# KiCad board Instruction_decoder.kicad_pcb (continued)
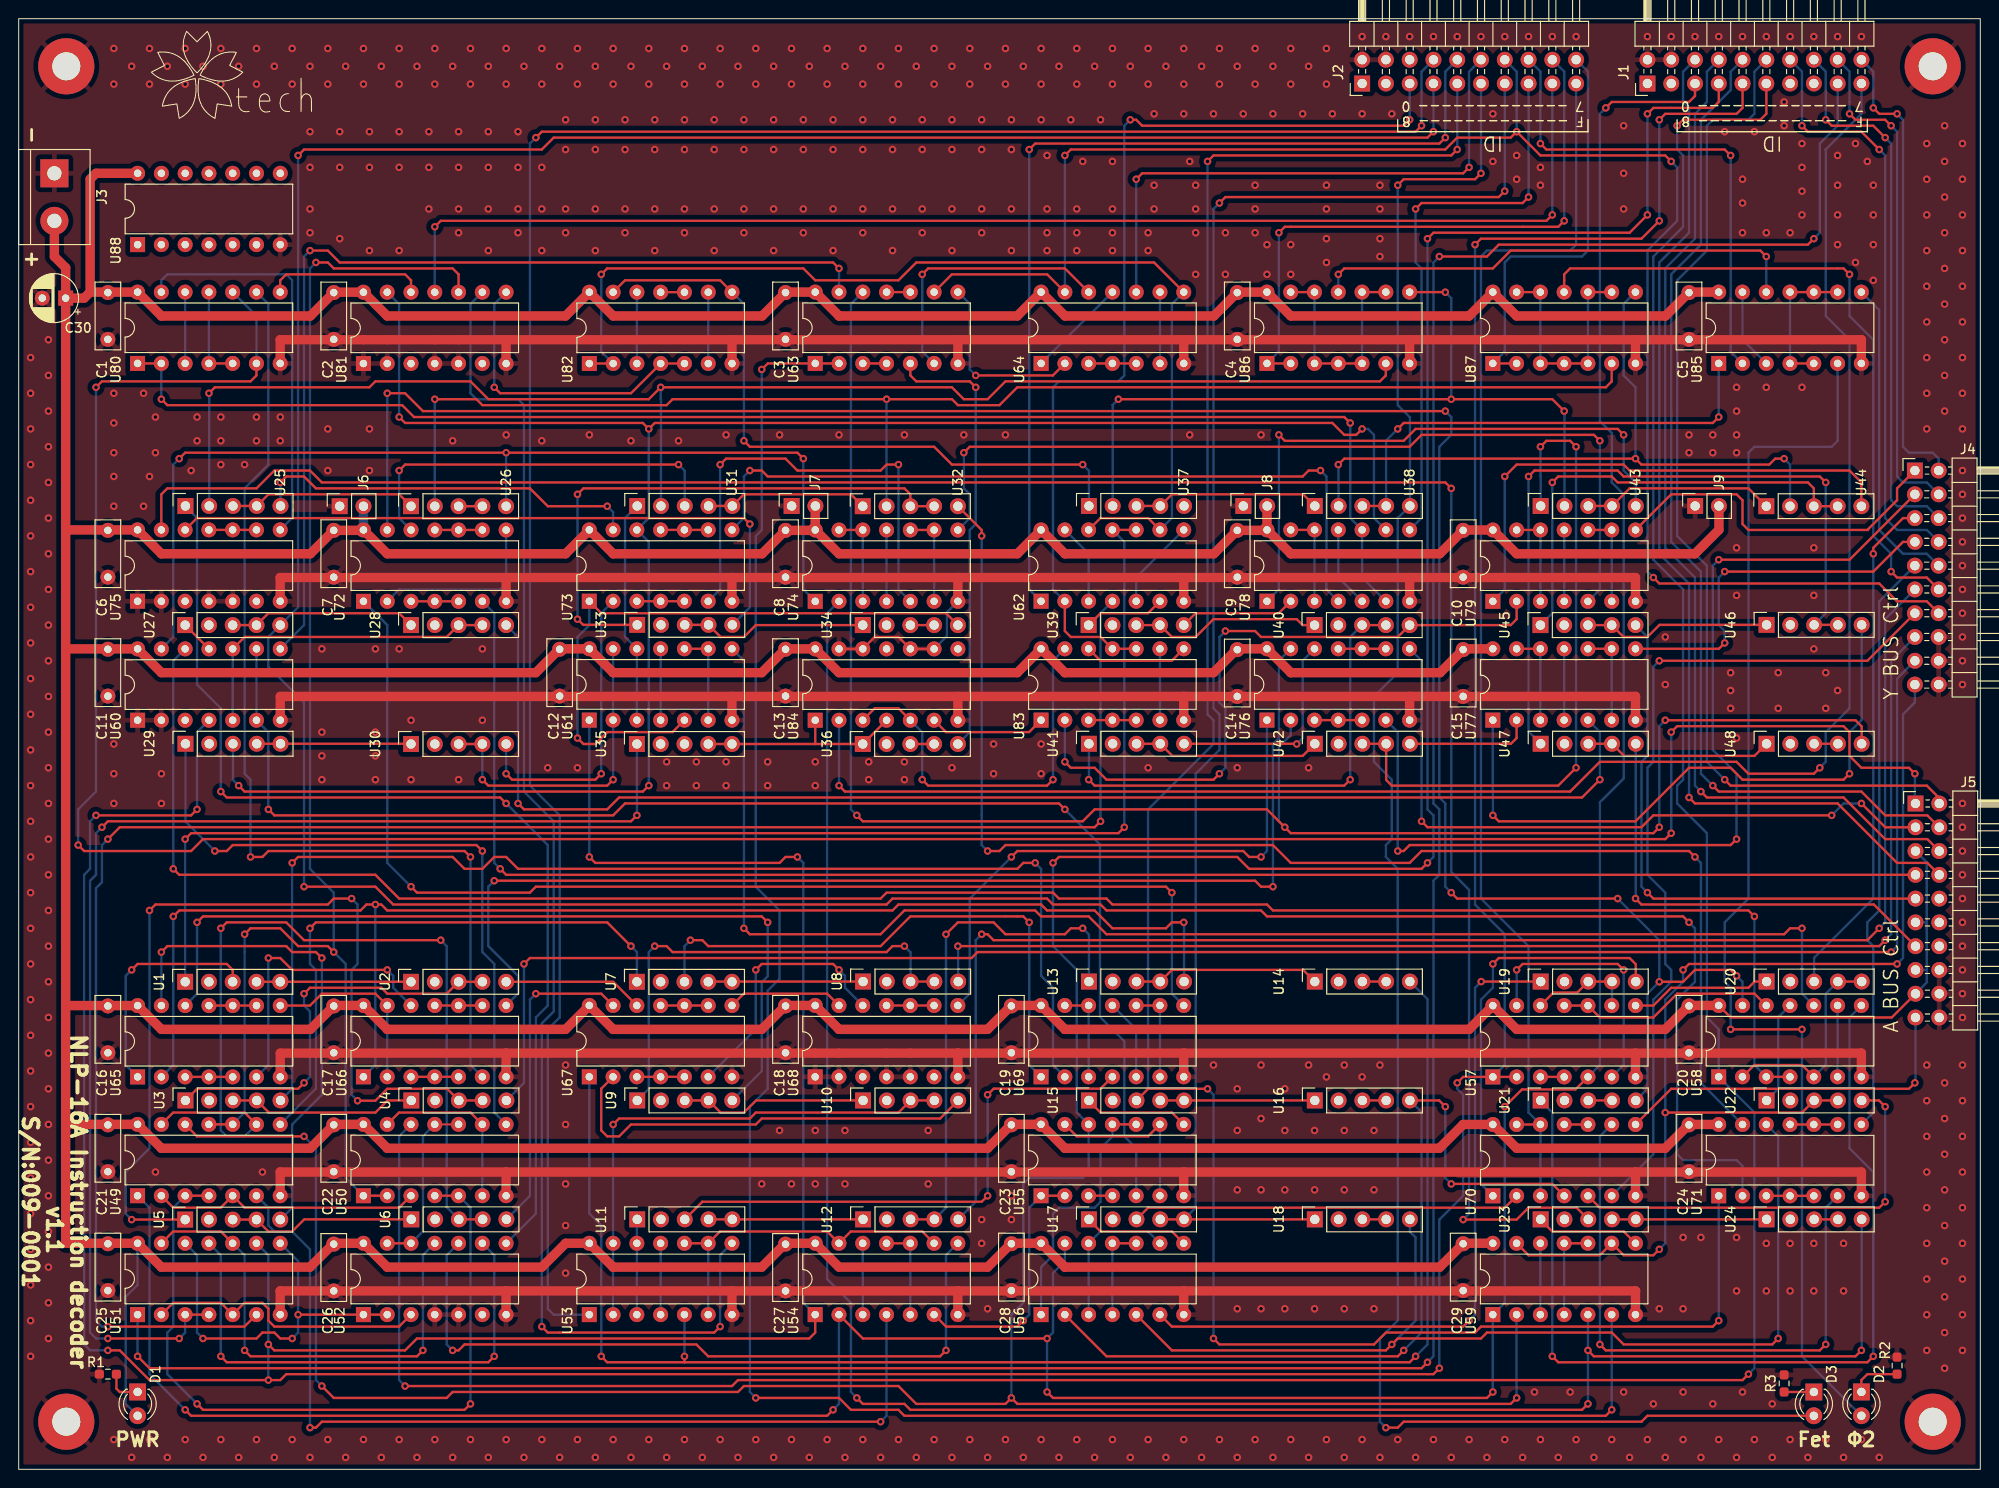
[diagram p0: board, top side]
## Routing (per net, layer and track width the routed paths; a pad name or vN(x,y) marks a point on that pad's centre or on a via; arc(x,y) is an arc through that point) (continued)
~{->IP_INC3}: length 164.3
  Top w0.25: v1(149.22,12.06) 148.59,11.43 71.12,11.43 ; 71.12,11.43 62.86,11.43 v1(62.23,12.06) ; 71.12,11.43 v1(71.12,12.06)
  Bottom w0.25: U67.1 60.95,27.31 62.23,26.03 v1(62.23,12.06) ; U53.5 71.11,12.07 v1(71.12,12.06) ; v1(149.22,12.06) 150.5,13.33 150.5,50.22 U14.5
~{->IP_SAVE}: length 13.6
  Top w0.25: U42.5 159.41,77.49 160.02,78.1 160.01,78.11 U77.2
~{->IP_SET}: length 15
  Top w0.25: U67.12 63.5,52.07 U2.5
~{->IV_JMP/END_INT}: length 191.5
  Top w0.25: v1(175.9,80.01) 196.22,80.01 196.88,79.34 U48.5 ; v1(175.26,68.58) 174.62,67.94 135.89,67.94 v1(135.25,68.58) 133.35,70.48 114.94,70.48 113.66,69.21 90.17,69.21 v1(89.53,69.85)
  Bottom w0.25: v1(175.9,80.01) 175.26,79.38 v1(175.26,68.58) ; v1(135.25,68.58) 134.62,69.21 134.62,77.16 135.88,78.42 U76.2 ; U63.12 88.9,124.47 88.9,70.48 v1(89.53,69.85)
~{->RAM_STORE}: length 143.6
  Top w0.25: v1(168.91,73.66) 167,71.75 64.13,71.75 62.86,70.48 53.97,70.48 v1(53.34,71.12)
  Bottom w0.25: U28.5 53.34,88.9 v1(53.34,71.12) ; U77.5 168.91,78.74 v1(168.91,73.66)
~{->SP_DEC_INT1}: length 72.1
  Top w0.25: v1(128.91,89.53) 132.08,89.53 132.72,88.9 147.32,88.9 U40.5 159.38,90.17 160.02,90.8 U79.2 ; v1(111.76,75.56) 112.4,74.93 114.94,74.93 116.2,73.66 127.63,73.66 v1(128.27,74.29)
  Bottom w0.25: v1(128.27,74.29) 128.91,74.93 128.91,81.28 128.27,81.91 128.27,88.9 v1(128.91,89.53) ; U83.2 111.75,75.57 v1(111.76,75.56)
~{->SP_DEC_INT2}: length 55.8
  Top w0.25: v1(158.75,106.04) 160.02,107.31 171.45,107.31 172.09,106.68 195.58,106.68 196.85,105.41 U44.5
  Bottom w0.25: v1(158.75,106.04) 158.75,93.98 U79.1
~{->SP_DEC_PUSH}: length 109.8
  Top w0.25: v1(17.14,107.95) 17.78,108.58 v1(52.07,108.58) 83.19,108.58 v1(83.82,107.95)
  Bottom w0.25: v1(83.82,107.95) 83.82,93.98 U74.1 ; U60.13 16.51,88.9 16.51,107.31 v1(17.14,107.95) ; U26.5 v1(52.07,108.58)
~{->SP_INC_POP}: length 219.1
  Top w0.25: v1(196.85,12.7) 196.22,12.06 168.27,12.06 v1(167.63,12.7) ; v1(89.53,7.62) 90.17,6.98 94.62,6.98 95.25,6.35 167,6.35 v1(167.64,6.98)
  Bottom w0.25: U59.5 v1(167.63,12.7) 167.64,12.69 v1(167.64,6.98) ; v1(196.85,12.7) 196.88,12.73 U24.5 ; v1(89.53,7.62) 88.9,8.25 88.9,17.78 86.36,20.32 86.36,91.44 U74.2
~{->SP_INC_RET}: length 68.3
  Top w0.25: U73.1 60.95,92.71 62.23,91.44 99.06,91.44 U34.5 ; v1(59.69,78.1) 60.33,77.47 61.59,77.47 62.86,78.74 69.83,78.74 U61.5
  Bottom w0.25: U73.1 60.95,90.16 59.69,88.9 v1(59.69,78.1)
~{->SP_SET}: length 32.8
  Top w0.25: v1(52.07,74.29) 52.7,73.66 61.59,73.66 v1(62.23,74.29)
  Bottom w0.25: U73.2 62.23,91.45 v1(62.23,74.29) ; U30.5 v1(52.07,74.29)
~{AccWR}: length 91.5
  Top w0.25: v1(147.95,12.7) 147.32,12.06 116.2,12.06 111.75,16.51 U56.2 ; v1(153.03,30.48) 163.83,30.48 U70.4 ; v1(152.4,38.73) 151.74,39.39 U16.5
  Bottom w0.25: v1(153.03,30.48) 152.4,31.11 v1(152.4,38.73) ; U16.5 149.86,38.16 149.86,14.6 v1(147.95,12.7)
~{Address_Y}: length 54.7
  Top w0.25: v1(198.12,97.79) 198.12,98.42 201.29,101.6 J4.5
  Bottom w0.25: v1(198.12,97.79) 198.12,60.96 191.8,54.64 U20.3
~{DEC_ALU}: length 59.8
  Top w0.25: v1(149.22,134.62) 149.86,135.25 160.66,135.25 v1(161.29,135.89)
  Bottom w0.25: v1(161.29,135.89) 161.29,135.89 J2.15 ; U78.8 149.85,101.6 149.86,101.6 149.86,128.27 149.22,128.91 v1(149.22,134.62)
~{EI/DI_FETCH}: length 134.9
  Top w0.25: v1(66.04,69.85) 65.41,69.21 9.52,69.21 v1(8.89,68.58) ; v1(17.14,13.97) v1(9.52,13.97) ; U51.3 U51.4
  Bottom w0.25: v1(8.89,68.58) 8.25,67.94 8.25,63.5 7.62,62.86 7.62,14.6 8.25,13.97 v1(9.52,13.97) ; U51.3 17.77,14.6 v1(17.14,13.97) ; U35.1 v1(66.04,69.85)
~{END_PUSH}: length 103.7
  Top w0.25: v1(87.63,128.27) 87,128.91 34.29,128.91 33.02,130.17 v1(31.11,130.17)
  Bottom w0.25: v1(31.11,130.17) 30.48,129.54 30.48,90.17 U60.8 ; v1(87.63,128.27) U63.13
~{EXE_POP}: length 154.8
  Top w0.25: v1(77.47,57.78) 78.11,57.15 92.08,57.15 94.62,59.69 108.59,59.69 109.22,59.05 114.3,59.05 116.2,57.15 188.59,57.15 189.23,57.78 v1(190.5,57.78)
  Bottom w0.25: v1(77.47,57.78) 77.47,86.36 U61.8 ; U58.10 190.5,50.81 v1(190.5,57.78)
~{EXE_PUSH}: length 148.2
  Top w0.25: v1(111.76,70.48) 111.12,71.12 64.77,71.12 63.5,69.85 27.3,69.85 v1(26.67,70.48)
  Bottom w0.25: v1(111.76,70.48) 115.5,66.74 115.5,48.32 118.11,45.72 118.11,35.56 119.38,34.29 119.38,29.22 U55.5 ; U60.9 U60.6 26.67,78.74 v1(26.67,70.48)
~{Fetch_END1}: length 156.8
  Top w0.25: U49.10 U49.11 ; v1(24.13,57.15) 24.77,57.78 27.94,57.78 29.84,55.88 33.02,55.88 v1(33.66,55.24) ; v1(31.75,128.91) 33.02,128.91 33.66,128.27 46.36,128.27 46.99,127.63 46.98,127.63 U81.10 ; 39.36,29.22 U50.1
  Bottom w0.25: v1(31.75,128.91) 31.11,128.27 31.11,64.13 33.66,61.59 v1(33.66,55.24) 34.92,53.97 34.92,31.11 36.82,29.22 U50.1 ; U49.10 24.11,38.1 24.13,38.1 v1(24.13,57.15)
~{Fetch_END2}: length 146.8
  Top w0.25: v1(74.93,15.24) 74.3,14.6 56.52,14.6 v1(55.88,15.24)
  Bottom w0.25: v1(55.88,15.24) 55.88,47.62 57.15,48.89 57.15,69.21 57.15,69.21 53.97,72.39 53.97,113.66 53.34,114.3 48.89,114.3 48.26,114.93 48.26,124.47 49.52,125.73 ; U53.8 74.93,22.88 v1(74.93,15.24)
~{FETCH_INT}: length 150.9
  Top w0.25: v1(118.11,68.58) 117.47,67.94 18.41,67.94 v1(17.78,67.31) ; U62.10 U62.11
  Bottom w0.25: U62.11 118.11,99.06 v1(118.11,68.58) ; v1(17.78,67.31) U1.1
~{Fetch_Status}: length 51.8
  Top w0.25: v1(147.32,111.12) 147.95,111.76 180.97,111.76 v1(181.61,112.39) ; U38.4 U38.3
  Bottom w0.25: v1(181.61,112.39) 181.6,112.4 U85.1 ; U38.4 146.08,109.88 v1(147.32,111.12)
~{Flag_Return->}: length 41.7
  Top w0.25: v1(40.64,106.68) 41.27,107.31 v1(70.48,107.31)
  Bottom w0.25: U31.3 71.15,106.65 v1(70.48,107.31) ; v1(40.64,106.68) 40.64,101.6 U72.12
~{Flag_SAVE->}: length 58.5
  Top w0.25: v1(173.99,61.59) 174.63,60.95 J5.9
  Bottom w0.25: v1(173.99,61.59) 173.35,62.23 173.35,75.56 173.99,76.2 173.99,88.9 U45.5
~{Flag_SET->}: length 41.7
  Top w0.25: U17.3 120.65,27.94 120.65,27.94 158.75,27.94 U70.2
~{Flag_Y}: length 62.6
  Bottom w0.25: J4.9 198.75,92.71 198.75,59.69 197.48,58.42 197.48,56.51 198.12,55.88 198.12,38.1 U71.8
~{INC_ALU}: length 140.9
  Top w0.25: v1(44.45,132.72) 45.08,133.35 163.19,133.35 v1(163.83,133.98)
  Bottom w0.25: 163.84,148.02 163.84,133.99 v1(163.83,133.98) ; 44.44,125.73 44.44,132.71 v1(44.45,132.72)
~{INT_FETCH}: length 200.8
  Top w0.25: v1(115.57,69.21) 114.94,68.58 10.79,68.58 v1(9.52,67.31) ; U51.6 24.11,15.24 v1(9.52,15.24)
  Bottom w0.25: v1(9.52,15.24) 8.89,15.24 8.25,15.88 8.25,62.07 8.89,62.71 8.89,66.67 v1(9.52,67.31) ; v1(115.57,69.21) 115.57,91.45 U62.4
~{INTERNAL_ALU}: length 133.4
  Top w0.25: U70.13 U70.12
  Bottom w0.25: U70.3 U70.12 161.29,38.1 161.29,55.88 156.21,60.96 156.21,129.54 156.84,130.17 165.73,130.17 166.38,130.81 J2.19
~{INTERNAL_A}: length 38.7
  Top w0.25: U70.8 176.53,40.64 201.93,40.64 v1(202.56,41.28)
  Bottom w0.25: v1(202.56,41.28) 202.63,41.34 J5.19
~{INTERNAL_Y}: length 120.7
  Top w0.25: v1(175.9,38.1) 190.5,38.1 U22.3 U22.4 ; U59.13 161.29,22.86 161.29,22.86 168.9,22.86 170.18,24.14 171.45,22.86 174.62,22.86 v1(175.26,23.5) ; v1(200.66,53.97) 178.44,53.97 v1(177.8,53.34)
  Bottom w0.25: J4.19 202.56,81.91 201.29,80.64 201.29,54.61 v1(200.66,53.97) ; v1(175.26,23.5) 175.9,24.13 v1(175.9,38.1) 175.9,50.16 177.8,52.07 v1(177.8,53.34)
~{IP_A}: length 74.1
  Top w0.25: v1(196.85,71.12) 199.4,68.57 J5.3 ; v1(193.68,69.85) 174.62,69.85 173.35,68.58 150.5,68.58 v1(149.86,69.21)
  Bottom w0.25: U76.8 149.86,86.36 v1(149.86,69.21) ; v1(196.85,71.12) 194.94,71.12 v1(193.68,69.85)
~{IP_INC1->}: length 53.4
  Top w0.25: v1(32.38,54.61) 31.75,55.24 29.21,55.24 28.58,55.88 15.88,55.88 v1(15.24,55.24)
  Bottom w0.25: v1(32.38,54.61) 32.38,40 29.21,36.83 29.21,27.94 U5.5 ; U65.13 v1(15.24,55.24)
~{IP_INC2->}: length 91.5
  Top w0.25: v1(80.01,58.42) 79.38,59.05 19.68,59.05 v1(19.05,58.42)
  Bottom w0.25: v1(80.01,58.42) 80.01,52.66 79.38,52.02 79.38,42.54 U9.5 ; U65.12 19.05,50.8 v1(19.05,58.42)
~{IP_INC3->}: length 153.3
  Top w0.25: v1(124.46,58.42) 123.19,58.42 122.56,57.78 116.84,57.78 114.94,59.69 109.85,59.69 109.22,60.32 93.98,60.32 93.34,59.69 39.37,59.69 38.73,60.32 v1(38.1,60.32) 37.15,60.32 36.51,59.69 17.14,59.69 v1(16.51,59.05)
  Bottom w0.25: v1(16.51,59.05) 16.51,43.18 U65.2 ; U66.1 36.84,41.92 38.1,43.18 v1(38.1,60.32) ; v1(124.46,58.42) 124.49,58.39 U13.5
~{IP_SAVE->}: length 23
  Top w0.25: v1(136.53,77.47) 136.5,77.49 U41.5
  Bottom w0.25: U76.12 137.16,86.38 137.16,78.1 v1(136.53,77.47)
~{IP_SET->}: length 24.8
  Top w0.25: v1(12.06,53.34) 12.7,53.97 22.22,53.97 22.86,53.34 U1.3
  Bottom w0.25: v1(12.06,53.34) 11.43,52.7 11.43,43.18 U65.1
~{IP_Y}: length 106.2
  Top w0.25: v1(183.51,67.31) 182.88,66.67 148.59,66.67 147.95,66.04 v1(147.32,66.04) ; J4.3 195.58,97.15 v1(181.61,97.15)
  Bottom w0.25: v1(183.51,67.31) 183.51,74.29 180.97,76.83 180.97,96.52 v1(181.61,97.15) ; U76.6 147.32,78.74 v1(147.32,66.04)
~{IR1_Y}: length 194.1
  Top w0.25: v1(53.97,53.97) 54.61,54.61 101.8,54.61 102.43,55.24 v1(200.03,55.24)
  Bottom w0.25: v1(200.03,55.24) 200.66,55.88 200.66,84.45 J4.17 ; U4.5 53.97,41.27 v1(53.97,53.97)
~{IR2_Y}: length 136.8
  Top w0.25: v1(100.33,55.88) 198.75,55.88 v1(199.39,56.51)
  Bottom w0.25: v1(199.39,56.51) 200.03,57.15 200.03,86.36 J4.15 ; v1(100.33,55.88) 100.36,55.85 U8.5
~{IR3_Y}: length 165.9
  Top w0.25: v1(102.87,57.15) 103.5,57.15 104.14,56.51 197.48,56.51 v1(198.75,57.78)
  Bottom w0.25: U12.5 102.23,28.57 102.23,56.51 v1(102.87,57.15) ; v1(198.75,57.78) 199.39,58.42 199.39,90.8 J4.11
~{IV_JMP->}: length 48.6
  Top w0.25: J5.13 198.18,60.32 173.35,60.32 v1(172.72,60.96)
  Bottom w0.25: v1(172.72,60.96) 172.75,60.99 U47.5
~{MEM_A}: length 180.8
  Top w0.25: v1(51.44,64.13) 52.08,63.49 J5.7
  Bottom w0.25: U72.6 50.8,91.44 50.8,64.77 v1(51.44,64.13)
~{MEM_Y}: length 39.6
  Top w0.25: J4.7 201.29,99.06 198.12,95.88 v1(182.25,95.88) ; v1(182.25,88.26) 181.61,87.63 181.6,87.64 U77.8
  Bottom w0.25: v1(182.25,95.88) 181.61,95.25 181.61,90.17 182.25,89.53 v1(182.25,88.26)
~{OP->}: length 43.5
  Top w0.25: U19.5 172.75,53.94 172.09,54.61 158.12,54.61 v1(157.48,53.97)
  Bottom w0.25: U70.1 156.21,30.48 156.21,50.16 157.48,51.43 v1(157.48,53.97)
~{POP_FETCH}: length 72.1
  Top w0.25: v1(20.95,66.04) 22.22,66.04 22.86,66.67 48.89,66.67 v1(49.53,66.04)
  Bottom w0.25: v1(49.53,66.04) 49.53,55.24 50.8,53.97 50.8,38.1 U50.8 ; v1(20.95,66.04) 17.81,69.18 U29.1
~{PUSH_EXE}: length 215.8
  Top w0.25: v1(16.51,64.13) 17.14,63.5 38.1,63.5 40.64,60.96 92.08,60.96 92.71,61.59 110.49,61.59 111.12,60.96 116.2,60.96 116.84,60.32 133.35,60.32 133.98,59.69 184.78,59.69 v1(185.42,59.05) ; U58.3 U58.4
  Bottom w0.25: v1(16.51,64.13) 16.51,86.36 U60.12 ; v1(185.42,59.05) 185.42,43.18 185.43,43.18 U58.3
~{RA3}: length 241.9
  Top w0.25: v1(127.63,13.97) 128.27,13.33 144.78,13.33 146.05,14.6 155.57,14.6 156.21,15.24 180.97,15.24 v1(181.61,15.88) ; v1(127,139.7) 127.63,140.33 153.03,140.33 v1(153.67,140.97) ; U15.3 120.65,40.63 120.65,40.64 v1(127,40.64)
  Bottom w0.25: U15.3 120.65,40.63 120.65,70.48 127.63,77.47 127.63,80.01 127,80.64 v1(127,139.7) ; v1(127,40.64) 127.63,40 v1(127.63,13.97) ; 153.68,148.02 153.68,140.97 v1(153.67,140.97) ; U71.1 v1(181.61,15.88)
~{RAM_LOAD->}: length 236.1
  Top w0.25: v1(39.37,114.93) 41.27,114.93 43.18,113.03 v1(152.4,113.03) ; v1(153.03,61.59) 153.67,60.96 v1(170.81,60.96) ; v1(183.51,52.7) 182.88,53.34 179.07,53.34 177.8,52.07 v1(175.26,52.07)
  Bottom w0.25: v1(153.03,61.59) 152.4,62.23 152.4,71.12 151.76,71.75 151.76,109.22 153.03,110.49 153.03,112.39 v1(152.4,113.03) ; v1(170.81,60.96) 175.26,56.51 v1(175.26,52.07) 173.99,50.8 173.99,40.63 U21.5 ; v1(39.37,114.93) U72.13 ; v1(183.51,52.7) 184.15,52.07 U58.13
~{RAM_STORE->}: length 395
  Top w0.25: v1(29.84,140.33) 30.48,140.97 55.88,140.97 57.15,142.24 150.5,142.24 v1(151.13,142.88) ; v1(30.48,62.23) 38.1,62.23 40,60.32 92.71,60.32 93.34,60.96 109.85,60.96 110.49,60.32 115.57,60.32 116.2,59.69 132.72,59.69 133.35,59.05 177.8,59.05 v1(178.44,58.42)
  Bottom w0.25: U71.2 184.15,32.38 183.51,33.02 177.8,33.02 177.16,33.66 177.16,50.16 179.07,52.07 179.07,57.78 v1(178.44,58.42) ; v1(151.13,142.88) 151.13,142.88 J2.7 ; v1(30.48,62.23) 30.48,81.91 26.67,85.72 26.67,88.9 U27.5 29.84,92.07 v1(29.84,140.33)
~{RS}: length 183.8
  Top w0.25: v1(111.76,140.33) 112.4,140.97 152.4,140.97 153.67,142.24 159.38,142.24 v1(160.02,142.88) 162.56,140.33 175.9,140.33 v1(176.53,139.7) ; U64.13 109.87,127.63 99.69,127.63 U63.9 ; J4.14 203.84,92.71 200.66,92.71 198.75,94.61 175.26,94.61 v1(174.62,95.25)
  Bottom w0.25: v1(111.76,140.33) U64.13 ; v1(174.62,95.25) 173.99,95.88 173.99,130.17 177.16,133.35 177.16,139.06 v1(176.53,139.7) ; v1(160.02,142.88) 160.02,149.29 J2.14
~{Seed_pluse}: length 60.2
  Top w0.25: v1(154.94,139.06) 154.31,138.43 120.01,138.43 v1(119.38,137.79)
  Bottom w0.25: v1(154.94,139.06) 154.94,149.28 156.22,150.56 ; v1(119.38,137.79) U64.10
~{SP_A}: length 292.4
  Top w0.25: U80.6 25.39,116.83 24.77,116.2 8.89,116.2 v1(8.25,115.57) ; v1(176.53,67.94) 175.9,67.31 19.68,67.31 18.41,66.04 6.98,66.04 v1(6.35,66.67) ; v1(202.56,74.29) 201.93,74.93 196.85,74.93 195.58,76.2 195.58,78.74 194.94,79.38 177.16,79.38 v1(176.53,78.74)
  Bottom w0.25: J5.1 202.56,71.18 v1(202.56,74.29) ; v1(8.25,115.57) 8.25,72.39 6.35,70.48 v1(6.35,66.67) ; v1(176.53,67.94) v1(176.53,78.74) ; U80.6 25.39,123.19 25.4,123.19 25.4,123.19 U80.10
~{SP_DEC_INT1->}: length 12.5
  Top w0.25: U78.2 134.61,91.44 125.73,91.44 U39.5
~{SP_DEC_INT2->}: length 64.3
  Top w0.25: v1(134.62,110.49) 135.25,109.85 147.95,109.85 149.22,111.12 170.81,111.12 v1(171.45,110.49)
  Bottom w0.25: U43.5 172.75,105.38 171.45,106.68 v1(171.45,110.49) ; U78.1 134.62,93.99 v1(134.62,110.49)
~{SP_DEC_PUSH->}: length 41.8
  Top w0.25: v1(62.86,102.87) 56.52,102.87 54.61,104.77 31.75,104.77 30.48,106.04 28.58,106.04 v1(27.94,105.41)
  Bottom w0.25: v1(62.86,102.87) 63.5,102.23 63.5,102.23 U73.13 ; v1(27.94,105.41) 27.97,105.38 U25.5
~{SP_INC_POP->}: length 237
  Top w0.25: U75.13 15.23,104.13 15.88,104.77 25.4,104.77 27.3,106.68 31.11,106.68 32.38,105.41 152.4,105.41 v1(153.03,104.77) ; U23.3 166.43,27.94 161.29,27.94 160.02,26.67 v1(154.31,26.67)
  Bottom w0.25: v1(154.31,26.67) 154.94,27.31 154.94,61.9 153.03,63.8 v1(153.03,104.77)
~{SP_INC_RET->}: length 72.7
  Top w0.25: v1(78.11,100.96) 77.47,101.6 19.03,101.6 U75.12
  Bottom w0.25: v1(78.11,100.96) 78.11,92.07 U33.5
~{SP_SET->}: length 218.8
  Top w0.25: v1(143.51,111.12) 142.88,110.49 141.6,110.49 140.34,111.76 67.94,111.76 v1(67.31,111.12) 66.67,111.76 41.27,111.76 v1(40.64,112.39) ; v1(67.31,73.02) 66.67,72.39 24.13,72.39 v1(23.49,73.02)
  Bottom w0.25: v1(143.51,111.12) 144.15,111.12 144.78,110.49 144.78,101.6 144.79,101.6 U78.9 ; 39.36,125.73 40.64,124.45 v1(40.64,112.39) ; v1(67.31,111.12) 67.31,101.6 67.3,101.6 U73.12 67.31,99.06 v1(67.31,73.02) ; U29.3 22.89,73.69 22.86,73.66 v1(23.49,73.02)
~{SP_Y}: length 37.9
  Top w0.25: U79.8 176.53,104.14 183.51,104.14 184.15,103.5 184.15,100.96 184.78,100.33 197.56,100.33 197.56,100.4 200.66,103.5 200.66,104.77 J4.1
~{WB}: length 45.5
  Top w0.25: v1(199.39,38.73) 198.73,39.39 U22.5 ; v1(199.39,28.57) 198.75,27.94 168.91,27.94 U70.5
  Bottom w0.25: v1(199.39,28.57) v1(199.39,38.73)
Net-(D1-Pad1): length 4
  Top w0.25: R1.1 10.44,8.61 10.79,8.25 10.8,8.26 D1.1
Net-(D2-Pad1): length 5.1
  Top w0.25: D2.1 196.85,9.53 197.48,10.16 200.38,10.16
Net-(D2-Pad2): length 132.8
  Top w0.25: v1(190.5,46.99) v1(182.88,46.99)
  Bottom w0.25: v1(182.88,46.99) 182.88,51.43 182.25,52.07 182.25,58.42 184.78,60.96 184.78,108.58 185.42,109.22 193.68,109.22 194.31,109.85 194.31,109.86 U85.6 ; D2.2 196.84,5.72 190.5,12.06 v1(190.5,46.99)
Net-(D3-Pad1): length 3.2
  Top w0.25: R3.1 D3.1
Net-(U1-Pad4): length 16.5
  Top w0.25: U2.1 U1.5 U1.4
Net-(U2-Pad3): length 43.6
  Top w0.25: v1(30.48,41.28) 29.84,40.64 19.05,40.64 17.81,39.4 U3.1 ; U2.4 U2.3 45.72,50.8 39.37,50.8 38.74,51.43 31.11,51.43 v1(30.48,50.8)
  Bottom w0.25: v1(30.48,50.8) 30.48,49.53 31.11,48.89 31.11,41.91 v1(30.48,41.28)
Net-(U3-Pad3): length 20.2
  Top w0.25: U4.1 39.39,39.39 38.1,38.1 26.67,38.1 26.67,38.16 U3.4 U3.3
Net-(U4-Pad3): length 99
  Top w0.25: U4.4 U4.3 45.77,40.64 39.37,40.64 38.1,39.37 v1(36.19,39.37) ; v1(13.97,59.69) 14.6,60.32 33.02,60.32 33.66,60.96 v1(35.56,60.96) ; U5.1 v1(12.06,26.67)
  Bottom w0.25: v1(13.97,59.69) 13.97,34.29 11.43,31.75 11.43,27.31 v1(12.06,26.67) ; v1(35.56,60.96) 36.19,60.32 36.19,53.97 35.56,53.34 35.56,40 v1(36.19,39.37)
Net-(U5-Pad3): length 20.1
  Top w0.25: U6.1 30.5,26.69 29.21,25.4 26.67,25.4 U5.4 U5.3
Net-(U7-Pad4): length 16.6
  Top w0.25: U7.4 73.69,52.09 U8.1
Net-(U8-Pad3): length 51.1
  Top w0.25: v1(94.62,55.88) 93.34,55.88 92.71,55.24 69.85,55.24 69.22,55.88 v1(67.94,55.88) ; U8.3 U8.4
  Bottom w0.25: v1(94.62,55.88) 95.28,55.21 U8.3 ; U9.1 66.07,39.4 67.31,40.64 67.31,55.24 v1(67.94,55.88)
Net-(U10-Pad1): length 20.1
  Top w0.25: U9.3 U9.4 74.98,38.1 77.47,38.1 78.77,39.39 U10.1
Net-(U10-Pad3): length 55.7
  Top w0.25: v1(63.5,36.83) 64.13,37.47 78.11,37.47 78.74,38.1 93.98,38.1 U10.3 U10.4
  Bottom w0.25: U53.2 U53.13 63.5,36.82 v1(63.5,36.83)
Net-(U11-Pad1): length 10.2
  Bottom w0.25: U53.3 U53.12 66.03,26.66 U11.1
Net-(U11-Pad4): length 16.5
  Top w0.25: U12.1 U11.4
Net-(U12-Pad3): length 55.4
  Top w0.25: v1(113.66,57.78) 112.4,57.78 111.76,57.15 105.41,57.15 104.14,58.42 100.33,58.42 v1(99.06,57.15) ; U12.3 U12.4
  Bottom w0.25: U12.4 99.06,27.94 v1(99.06,57.15) ; U13.1 114.33,57.12 v1(113.66,57.78)
Net-(U13-Pad3): length 20.1
  Top w0.25: U13.3 U13.4 123.19,53.34 137.22,53.34 U14.1
Net-(U14-Pad3): length 2.5
  Top w0.25: U14.3 U14.4
Net-(U15-Pad1): length 11.2
  Top w0.25: U55.8 123.19,38.1 115.57,38.1 114.33,39.34 U15.1
Net-(U15-Pad4): length 16.5
  Top w0.25: U16.1 U15.4
Net-(U16-Pad3): length 2.5
  Top w0.25: U16.3 U16.4
Net-(U17-Pad1): length 11.2
  Top w0.25: U56.8 123.19,25.4 115.57,25.4 114.33,26.64 U17.1
Net-(U18-Pad3): length 2.5
  Top w0.25: U18.3 U18.4
Net-(U19-Pad1): length 76.9
  Top w0.25: U56.6 121.91,16.51 123.19,15.24 154.31,15.24 v1(154.94,15.88) ; U19.1 v1(156.23,52.09)
  Bottom w0.25: v1(156.23,52.09) 155.57,51.43 155.57,16.51 v1(154.94,15.88)
Net-(U19-Pad3): length 11.3
  Top w0.25: U19.4 U19.3 166.5,50.92 163.95,50.92 U57.12
  Bottom w0.25: U57.9 170.21,49.56 U19.4
Net-(U20-Pad1): length 15.1
  Top w0.25: U57.8 174.62,49.53 176.53,51.43 184.78,51.43 185.44,52.09 U20.1
Net-(U20-Pad4): length 22.4
  Top w0.25: U58.2 185.41,43.18 190.5,43.18 U58.5 ; U20.4 U20.5
  Bottom w0.25: U58.5 193.04,43.19 193.04,50.8 193.04,50.8 U20.4
Net-(U21-Pad1): length 101.7
  Top w0.25: v1(163.83,12.06) 164.47,11.43 197.48,11.43 v1(198.12,12.06)
  Bottom w0.25: v1(163.83,12.06) 163.83,38.1 162.59,39.34 U21.1 ; v1(198.12,12.06) 198.12,31.75 195.58,34.29 195.58,48.28 U58.8
Net-(U21-Pad3): length 2.5
  Top w0.25: U21.3 U21.4
Net-(U22-Pad1): length 11.2
  Bottom w0.25: U22.1 187.96,40.63 187.96,48.28 U58.11
Net-(U23-Pad1): length 11.2
  Top w0.25: U59.8 171.45,25.4 163.83,25.4 162.59,26.64 U23.1
Net-(U23-Pad4): length 16.5
  Top w0.25: U23.4 U23.5 U24.1
Net-(U24-Pad3): length 2.5
  Top w0.25: U24.3 U24.4
Net-(U25-Pad3): length 20.1
  Top w0.25: U25.3 U25.4 26.67,104.13 26.67,104.14 40.64,104.14 U26.1
Net-(U26-Pad3): length 2.5
  Top w0.25: U26.4 U26.3
Net-(U27-Pad1): length 3.6
  Top w0.25: U27.1 U60.11
Net-(U27-Pad3): length 20.1
  Top w0.25: U27.3 U27.4 26.67,91.44 40.64,91.44 U28.1
Net-(U28-Pad3): length 35.3
  Top w0.25: U28.4 U28.3 45.72,88.9 24.13,88.9 U60.10
  Bottom w0.25: U60.10 U60.5
Net-(U29-Pad4): length 16.5
  Top w0.25: U29.4 U29.5 41.88,77.49 U30.1
Net-(U30-Pad3): length 34.8
  Top w0.25: v1(49.53,73.66) 50.16,73.02 62.86,73.02 v1(63.5,73.66) ; U30.3 U30.4
  Bottom w0.25: v1(63.5,73.66) 63.5,80.01 U61.2 U61.13 ; v1(49.53,73.66) U30.4
Net-(U31-Pad1): length 23.9
  Bottom w0.25: U61.3 U61.12 64.77,88.9 64.77,101.6 66.06,102.89 U31.1
Net-(U31-Pad4): length 17.5
  Top w0.25: U31.4 U31.5 77.47,104.14 88.9,104.14 U32.1
Net-(U32-Pad3): length 59.9
  Top w0.25: U32.4 U32.3 95.25,104.14 94.62,104.77 60.33,104.77 v1(59.69,104.14) ; v1(59.69,90.8) 60.3,90.19 U33.1
  Bottom w0.25: v1(59.69,104.14) v1(59.69,90.8)
Net-(U33-Pad3): length 20.1
  Top w0.25: U33.3 U33.4 74.93,88.95 74.93,88.9 77.47,88.9 78.74,90.17 U34.1
Net-(U34-Pad3): length 2.5
  Top w0.25: U34.3 U34.4
Net-(U35-Pad4): length 22.6
  Top w0.25: U35.4 U35.5 85.09,77.47 ; 85.09,77.47 U84.1 ; 85.09,77.47 U36.1 U84.4
Net-(U36-Pad3): length 2.5
  Top w0.25: U36.3 U36.4
Net-(U36-Pad5): length 47.7
  Top w0.25: U63.5 95.25,116.84 95.88,116.2 101.6,116.2 v1(102.23,115.57)
  Bottom w0.25: v1(102.23,115.57) 102.23,100.96 101.6,100.33 101.6,78.74 U36.5
Net-(U37-Pad1): length 72.1
  Top w0.25: U82.13 64.77,127 74.93,127 U82.8 ; v1(77.47,109.85) 78.11,109.22 97.79,109.22 99.69,107.31 v1(113.66,107.31)
  Bottom w0.25: v1(113.66,107.31) 114.33,106.65 U37.1 ; U82.8 77.47,124.46 v1(77.47,109.85)
Net-(U37-Pad3): length 20.1
  Top w0.25: U37.3 U37.4 123.19,104.14 137.22,104.14 U38.1
Net-(U39-Pad1): length 8.7
  Top w0.25: U62.6 120.63,91.44 115.57,91.44 U39.1
Net-(U39-Pad3): length 20.6
  Top w0.25: U40.1 137.16,90.17 136.53,90.8 127.63,90.8 125.73,88.9 123.19,88.9 U39.4 U39.3
Net-(U40-Pad3): length 51.9
  Top w0.25: U40.3 U40.4 ; v1(114.3,73.66) 114.94,73.02 141.6,73.02 v1(142.24,73.66)
  Bottom w0.25: U41.1 114.33,73.69 v1(114.3,73.66) ; v1(142.24,73.66) 142.24,88.9 U40.3
Net-(U41-Pad3): length 20.1
  Top w0.25: U41.3 U41.4 123.25,76.2 137.16,76.2 U42.1
Net-(U42-Pad3): length 72.7
  Top w0.25: v1(166.37,74.93) 164.47,73.02 146.69,73.02 146.08,73.63 U42.4 U42.3 ; v1(162.56,109.22) 163.19,109.85 165.73,109.85 v1(166.37,109.22)
  Bottom w0.25: U43.1 162.59,106.07 162.56,106.1 v1(162.56,109.22) ; v1(166.37,109.22) v1(166.37,74.93)
Net-(U43-Pad3): length 20.6
  Top w0.25: U44.1 184.78,104.77 172.09,104.77 U43.4 U43.3
Net-(U44-Pad3): length 48.9
  Top w0.25: U44.4 U44.3 191.77,104.77 191.13,105.41 170.81,105.41 170.18,106.04 164.47,106.04 v1(163.83,105.41)
  Bottom w0.25: U45.1 163.83,91.44 v1(163.83,105.41)
Net-(U45-Pad3): length 20.1
  Top w0.25: U46.1 175.28,90.19 173.99,88.9 171.45,88.9 U45.4 U45.3
Net-(U46-Pad3): length 79.9
  Top w0.25: U46.3 U46.4 ; v1(193.04,105.41) 192.41,106.04 171.45,106.04 170.81,106.68 161.93,106.68 v1(161.29,106.04)
  Bottom w0.25: v1(193.04,105.41) 193.04,91.43 U46.3 ; U47.1 161.29,78.79 v1(161.29,106.04)
Net-(U47-Pad3): length 20.1
  Top w0.25: U48.1 185.43,76.2 171.5,76.2 U47.4 U47.3
Net-(U48-Pad3): length 2.5
  Top w0.25: U48.4 U48.3
Net-(U49-Pad2): length 28.8
  Top w0.25: U49.2 16.52,27.94 21.57,27.94 U49.5 24.13,27.94 40.64,27.94 40.64,27.95 U50.3
Net-(U49-Pad3): length 81.9
  Top w0.25: v1(19.05,6.98) 19.68,6.35 47.62,6.35 v1(48.26,6.98) ; 44.44,29.22 U50.5 ; U49.3 U49.4
  Bottom w0.25: v1(19.05,6.98) 15.88,10.16 15.88,14.6 16.51,15.24 16.51,27.95 U49.3 ; v1(48.26,6.98) 48.26,27.94 U50.5
Net-(U49-Pad6): length 101.2
  Top w0.25: v1(31.11,4.44) 31.75,4.44 32.38,5.08 v1(92.08,5.08)
  Bottom w0.25: U54.4 92.7,5.71 v1(92.08,5.08) ; U49.6 26.67,27.94 26.67,26.03 27.3,25.4 29.21,25.4 31.11,23.5 v1(31.11,4.44)
Net-(U49-Pad8): length 62.5
  Top w0.25: v1(31.11,57.78) 31.75,58.42 62.86,58.42 v1(65.41,55.88)
  Bottom w0.25: U49.8 31.75,40.66 31.75,53.34 31.11,53.97 v1(31.11,57.78) ; v1(65.41,55.88) 66.04,55.24 U7.1
Net-(U49-Pad13): length 95.1
  Top w0.25: U49.13 16.49,38.1 24.13,38.1 U49.9 ; U6.4 U6.3 ; v1(45.08,56.51) 30.48,56.51 28.58,58.42 22.22,58.42 v1(21.59,57.78)
  Bottom w0.25: v1(45.08,56.51) 45.72,55.88 45.72,28 U6.3 ; U49.9 24.11,35.56 22.22,35.56 21.59,36.19 v1(21.59,57.78)
Net-(U50-Pad10): length 18.8
  Top w0.2: 44.44,36.84 U50.10
  Top w0.25: U52.12 39.36,24.14
  Bottom w0.25: 44.44,36.84 43.18,35.57 43.18,25.41 U52.12
Net-(U50-Pad13): length 18.8
  Top w0.25: 49.52,36.84 48.27,38.1 40.62,38.1 39.36,36.84
  Bottom w0.25: 49.52,36.84 49.52,29.22
Net-(U51-Pad2): length 30.6
  Top w0.25: U52.3 40.62,15.24 27.3,15.24 26.67,15.88 26.67,17.14 26.03,17.78 24.11,17.78 U51.5 21.59,17.78 16.49,17.78 U51.2
Net-(U51-Pad10): length 52.2
  Top w0.25: U51.10 21.59,25.4 16.49,25.4 U51.13 ; v1(24.13,12.7) 24.77,12.06 42.55,12.06 v1(43.18,12.7)
  Bottom w0.25: v1(43.18,12.7) 43.18,22.88 44.44,24.14 ; v1(24.13,12.7) 24.13,22.86 U51.10
Net-(U51-Pad11): length 54.9
  Top w0.25: v1(21.59,12.06) 22.22,11.43 50.16,11.43 v1(50.8,12.06)
  Bottom w0.25: 49.52,24.14 50.8,22.86 v1(50.8,12.06) ; v1(21.59,12.06) 21.59,22.86 U51.11
Net-(U51-Pad12): length 41.8
  Top w0.25: v1(29.21,13.97) 27.94,13.97 27.3,14.6 26.03,14.6 25.4,13.97 v1(19.68,13.97) ; 39.36,16.52 29.86,16.52 v1(29.84,16.51)
  Bottom w0.25: U51.12 19.05,22.86 19.05,14.6 v1(19.68,13.97) ; v1(29.21,13.97) 29.84,14.6 v1(29.84,16.51) 29.84,22.23 U51.8
Net-(U52-Pad10): length 77.9
  Top w0.25: v1(99.06,12.7) 98.43,12.06 73.66,12.06 72.39,13.33 47.62,13.33 46.99,12.7 v1(46.36,12.7)
  Bottom w0.25: v1(99.06,12.7) 99.06,22.88 U54.8 ; U52.10 45.72,22.88 45.72,13.33 v1(46.36,12.7)
Net-(U53-Pad10): length 36.4
  Top w0.25: U53.10 U53.9 74.91,25.4 86.36,25.4 U54.13 88.88,25.4 96.53,25.4 U54.9
  Bottom w0.25: U53.9 U53.6
Net-(U53-Pad11): length 7.6
  Bottom w0.25: U53.11 U53.4
Net-(U54-Pad10): length 10.2
  Top w0.25: U54.11 U54.10
  Bottom w0.25: U54.10 U54.5
Net-(U54-Pad12): length 7.6
  Bottom w0.25: U54.12 U54.3
Net-(U55-Pad3): length 2.5
  Top w0.25: U55.3 U55.4
Net-(U55-Pad10): length 28.3
  Top w0.25: U55.11 U55.10
  Bottom w0.25: U55.11 116.84,35.56 116.84,35.56 115.57,34.29 115.57,28.57 114.94,27.94 111.12,27.94 110.49,27.31 110.49,22.86 109.22,21.58 U56.1
Net-(U55-Pad13): length 18.9
  Top w0.25: U55.9 120.65,35.57 120.65,35.56 113.03,35.56 113.03,35.56 U55.13
  Bottom w0.25: U55.9 U55.6
Net-(U56-Pad10): length 10.2
  Top w0.25: U56.10 U56.11
  Bottom w0.25: U56.11 U56.4
Net-(U56-Pad12): length 16.3
  Bottom w0.25: U56.9 120.66,25.4 115.56,25.4 U56.12 U56.3
Net-(U57-Pad3): length 2.5
  Top w0.25: U57.4 U57.3
Net-(U57-Pad10): length 23.7
  Top w0.25: U57.11 U57.10 168.91,48.26 174.62,48.26 177.16,50.8 185.43,50.8 U58.12
Net-(U57-Pad13): length 27.7
  Top w0.25: v1(160.02,53.34) 160.66,53.97 170.81,53.97 v1(171.45,53.34)
  Bottom w0.25: v1(171.45,53.34) 171.45,43.18 U57.6 ; U57.13 v1(160.02,53.34)
Net-(U58-Pad6): length 7.6
  Bottom w0.25: U58.9 U58.6
Net-(U59-Pad10): length 10.2
  Top w0.25: U59.11 U59.10
  Bottom w0.25: U59.11 U59.4
Net-(U59-Pad12): length 7.6
  Bottom w0.25: U59.12 U59.3
Net-(U61-Pad10): length 10.2
  Top w0.25: U61.9 U61.10
  Bottom w0.25: U61.9 U61.6
Net-(U61-Pad11): length 7.6
  Bottom w0.25: U61.11 U61.4
Net-(U62-Pad5): length 9.7
  Bottom w0.25: U62.8 119.38,95.26 U62.5
Net-(U62-Pad13): length 8.7
  Bottom w0.25: U62.13 114.3,97.79 114.3,97.79 114.29,97.78 U62.3
Net-(U63-Pad3): length 2.5
  Top w0.25: U63.4 U63.3
Net-(U63-Pad6): length 29.1
  Top w0.25: U64.12 114.29,125.74 111.76,128.27 97.16,128.27 v1(96.52,127.63)
  Bottom w0.25: U63.6 96.53,119.38 96.52,119.38 v1(96.52,127.63)
Net-(U63-Pad8): length 19.7
  Top w0.25: v1(102.23,116.84) 110.48,116.84 U64.2
  Bottom w0.25: U63.8 101.6,124.47 101.6,117.47 v1(102.23,116.84)
Net-(U63-Pad10): length 2.5
  Top w0.25: U63.11 U63.10
Net-(U64-Pad1): length 10.8
  Bottom w0.25: U64.1 U64.11
Net-(U64-Pad3): length 5.1
  Top w0.25: U64.3 U64.5
Net-(U64-Pad6): length 7.6
  Bottom w0.25: U64.9 U64.6
Net-(U65-Pad3): length 5.1
  Top w0.25: U65.3 U65.4 U65.5
Net-(U65-Pad6): length 31.3
  Top w0.25: v1(26.67,54.61) 27.94,54.61 29.21,53.34 v1(39.37,53.34)
  Bottom w0.25: v1(26.67,54.61) 26.67,43.18 U65.6 ; U66.12 40,51.44 40,52.7 v1(39.37,53.34)
Net-(U65-Pad8): length 20.1
  Top w0.25: U65.8 31.11,49.53 32.38,50.8 38.11,50.8 39.36,49.54
  Bottom w0.25: 39.36,49.54 39.36,41.92
Net-(U65-Pad10): length 5.1
  Top w0.25: U65.9 U65.11
Net-(U66-Pad3): length 5.1
  Top w0.25: U66.3 U66.5
Net-(U66-Pad6): length 110.2
  Top w0.25: v1(48.26,65.4) 47.62,66.04 26.67,66.04 26.03,65.4 v1(24.77,65.4)
  Bottom w0.25: v1(48.26,65.4) 48.26,43.18 48.27,43.18 49.52,41.92 ; U80.9 26.67,124.47 26.67,107.31 24.13,104.77 24.13,74.29 24.77,73.66 v1(24.77,65.4)
Net-(U66-Pad8): length 125.1
  Top w0.25: v1(50.8,62.86) 132.08,62.86 132.72,62.23 v1(133.98,62.23)
  Bottom w0.25: v1(50.8,62.86) 50.16,62.23 50.16,55.88 53.34,52.7 53.34,50.8 53.33,50.8 U66.8 ; U76.13 134.62,86.38 134.62,78.1 133.98,77.47 v1(133.98,62.23)
Net-(U66-Pad10): length 5.1
  Top w0.25: 44.44,49.54 49.52,49.54
Net-(U67-Pad3): length 5.1
  Top w0.25: U67.3 U67.5
Net-(U67-Pad6): length 27.8
  Top w0.25: v1(87.63,53.34) 87,53.97 79.38,53.97 v1(78.74,53.34)
  Bottom w0.25: U68.12 88.27,51.44 88.27,52.7 v1(87.63,53.34) ; U67.6 78.74,47 v1(78.74,53.34)
Net-(U67-Pad8): length 12.5
  Top w0.25: U68.13 86.36,50.8 77.45,50.8 U67.8
Net-(U67-Pad10): length 5.1
  Top w0.25: U67.11 U67.9
Net-(U68-Pad8): length 60.9
  Top w0.25: v1(132.72,65.4) 131.44,65.4 130.81,66.04 106.68,66.04 v1(106.04,65.4)
  Bottom w0.25: 101.6,51.43 101.6,60.96 v1(106.04,65.4) ; 101.6,51.43 101.6,50.81 U68.8 ; 101.6,51.43 101.6,50.8 ; 133.34,66.67 133.35,66.66 133.35,66.04 v1(132.72,65.4) ; U76.1 133.34,66.67
Net-(U68-Pad10): length 5.1
  Top w0.25: U68.11 U68.9
Net-(U69-Pad8): length 127.2
  Top w0.25: v1(123.19,61.59) 122.56,62.23 55.25,62.23 54.61,61.59 42.55,61.59 v1(41.91,62.23)
  Bottom w0.25: v1(123.19,61.59) 123.19,50.8 123.19,50.8 U69.8 ; v1(41.91,62.23) 39.37,64.77 39.37,90.17 U72.1
Net-(U69-Pad10): length 10.2
  Top w0.25: U69.9 U69.10
  Bottom w0.25: U69.9 U69.6
Net-(U69-Pad11): length 8.7
  Bottom w0.25: U69.11 116.84,49.53 119.38,47 U69.5
Net-(U69-Pad12): length 10.2
  Top w0.25: U69.13 U69.12
  Bottom w0.25: U69.12 U69.3
Net-(U70-Pad9): length 65.1
  Top w0.25: v1(168.91,13.33) 169.54,12.7 192.41,12.7 v1(193.04,13.33)
  Bottom w0.25: v1(168.91,13.33) 168.91,35.56 U70.9 ; v1(193.04,13.33) 193.04,27.94 U71.6
Net-(U70-Pad10): length 2.5
  Top w0.25: U70.10 U70.11
Net-(U71-Pad3): length 5.1
  Top w0.25: U71.5 U71.3
Net-(U71-Pad10): length 5.1
  Top w0.25: U71.11 U71.9
Net-(U72-Pad2): length 19.2
  Bottom w0.25: U72.8 52.07,94.61 51.44,93.98 40.64,93.98 U72.2
Net-(U72-Pad3): length 5.1
  Top w0.25: U72.3 U72.5
Net-(U72-Pad10): length 5.1
  Top w0.25: U72.11 U72.9
Net-(U73-Pad3): length 5.1
  Top w0.25: U73.3 U73.5
Net-(U73-Pad6): length 50.4
  Top w0.25: v1(74.93,107.31) 75.56,107.95 81.91,107.95 83.19,106.68 92.08,106.68 92.71,107.31 v1(93.98,107.31)
  Bottom w0.25: v1(93.98,107.31) 93.98,93.98 U74.5 ; U73.6 74.91,93.98 74.93,93.98 v1(74.93,107.31)
Net-(U73-Pad8): length 83.4
  Top w0.25: v1(78.11,106.68) 79.38,106.68 80.01,106.04 137.16,106.04 137.79,106.68 v1(139.06,106.68)
  Bottom w0.25: U78.4 139.71,93.98 139.7,93.98 139.7,106.04 v1(139.06,106.68) ; U73.8 77.47,101.61 77.47,106.04 v1(78.11,106.68)
Net-(U73-Pad10): length 5.1
  Top w0.25: U73.9 U73.11
Net-(U74-Pad8): length 95.7
  Top w0.25: v1(100.97,108.58) 101.6,109.22 148.59,109.22 149.86,110.49 168.28,110.49 v1(168.91,109.85)
  Bottom w0.25: U74.8 101.6,101.6 101.6,104.14 100.97,104.77 v1(100.97,108.58) ; v1(168.91,109.85) 168.91,93.98 U79.5
Net-(U74-Pad10): length 10.2
  Top w0.25: U74.9 U74.10
  Bottom w0.25: U74.9 U74.6
Net-(U74-Pad11): length 7.6
  Bottom w0.25: U74.11 U74.4
Net-(U74-Pad12): length 10.2
  Top w0.25: U74.12 U74.13
  Bottom w0.25: U74.12 U74.3
Net-(U75-Pad8): length 42.9
  Bottom w0.25: U75.8 29.21,101.61 29.21,127 28.58,127.63 15.88,127.63 15.23,126.99 U80.13
Net-(U75-Pad10): length 5.1
  Top w0.25: U75.11 U75.9
Net-(U76-Pad3): length 5.1
  Top w0.25: U76.5 U76.3
Net-(U76-Pad10): length 5.1
  Top w0.25: U76.11 U76.9
Net-(U77-Pad10): length 10.2
  Top w0.25: 170.18,87.64 U77.10
  Bottom w0.25: 170.18,87.64 170.18,80.02
Net-(U77-Pad11): length 7.6
  Bottom w0.25: U77.11 U77.4
Net-(U77-Pad12): length 10.2
  Top w0.25: U77.12 U77.13
  Bottom w0.25: U77.12 U77.3
Net-(U78-Pad10): length 155
  Top w0.25: v1(142.24,111.76) 141.6,112.39 42.23,112.39 40.96,113.66 15.88,113.66 v1(15.24,114.3) ; U80.1 U80.2
  Bottom w0.25: U78.6 146.04,92.72 143.51,95.25 U78.10 142.24,101.61 v1(142.24,111.76) ; v1(15.24,114.3) 15.23,114.3 U80.2
Net-(U78-Pad11): length 8.7
  Bottom w0.25: U78.11 140.97,95.26 U78.5
Net-(U78-Pad12): length 10.2
  Top w0.25: U78.12 U78.13
  Bottom w0.25: U78.12 U78.3
Net-(U79-Pad10): length 10.2
  Top w0.25: U79.10 U79.9
  Bottom w0.25: U79.9 U79.6
Net-(U79-Pad11): length 7.6
  Bottom w0.25: U79.11 U79.4
Net-(U79-Pad12): length 10.2
  Top w0.25: U79.12 U79.13
  Bottom w0.25: U79.12 U79.3
Net-(U80-Pad8): length 17
  Top w0.25: U80.8 27.93,126.99 28.58,127.63 41.27,127.63 41.91,127 41.91,126.99 U81.12
Net-(U80-Pad11): length 10.2
  Top w0.25: U80.5 U80.4
  Bottom w0.25: U80.11 U80.4
Net-(U80-Pad12): length 7.6
  Bottom w0.25: U80.12 U80.3
Net-(U81-Pad8): length 32.6
  Top w0.25: v1(50.8,115.57) 51.44,114.93 65.41,114.93 U82.4 U82.5
  Bottom w0.25: U81.8 50.8,124.47 v1(50.8,115.57)
Net-(U82-Pad6): length 7.6
  Bottom w0.25: U82.9 U82.6
Net-(U82-Pad10): length 2.5
  Top w0.25: U82.11 U82.10
Net-(U82-Pad12): length 7.6
  Bottom w0.25: U82.12 U82.3
Net-(U83-Pad1): length 12.5
  Top w0.25: U83.1 107.94,78.74 99.06,78.74 U84.6
Net-(U83-Pad3): length 5.1
  Top w0.25: U83.5 U83.3
Net-(U83-Pad6): length 7.6
  Bottom w0.25: U83.9 U83.6
Net-(U83-Pad12): length 11.2
  Top w0.25: U83.12 115.57,86.36 115.57,86.36 123.18,86.36 U83.8
Net-(U83-Pad13): length 42
  Top w0.25: v1(110.49,73.66) 109.85,73.02 97.16,73.02 v1(96.52,73.66) ; U84.3 91.44,81.28 93.98,81.28 U84.5
  Bottom w0.25: v1(96.52,73.66) 96.52,78.74 U84.5 ; v1(110.49,73.66) 110.49,86.38 U83.13
Net-(U85-Pad10): length 15.2
  Top w0.25: U85.5 U85.4 ; U85.11 U85.9
  Bottom w0.25: U85.11 U85.4
Net-(U85-Pad13): length 8.7
  Bottom w0.25: U85.13 184.15,120.66 U85.3
Net-(U86-Pad10): length 25.4
  Top w0.25: U86.10 U86.9 ; U86.3 U86.5 ; U86.13 U86.12
  Bottom w0.25: U86.10 U86.5 ; U86.12 U86.3
Net-(U87-Pad10): length 25.4
  Top w0.25: U87.12 U87.13 ; U87.3 U87.5 ; U87.10 170.18,125.74
  Bottom w0.25: U87.10 U87.5 ; U87.12 U87.3

## Copper pours and planes (outline as drawn; the poured copper is in the pictures)
GND on Top, Bottom: 209.55,0 0,0 0,154.94 209.55,154.94

## Text on the board
F.Fab: Conn_02x10_Counter_Clockwise | Screw_Terminal_01x02
F.Silkscreen: F ------------- 8 / 7 ------------- 0 | Y BUS Ctrl | A BUS Ctrl | ID | PWR | Fet | Φ2 | +          - | NLP-16A Instruction decoder / v1.1 / S/N:009-0001
